# Altium PCB openmv-ae3.PcbDoc (part 1 of 3) (continued)
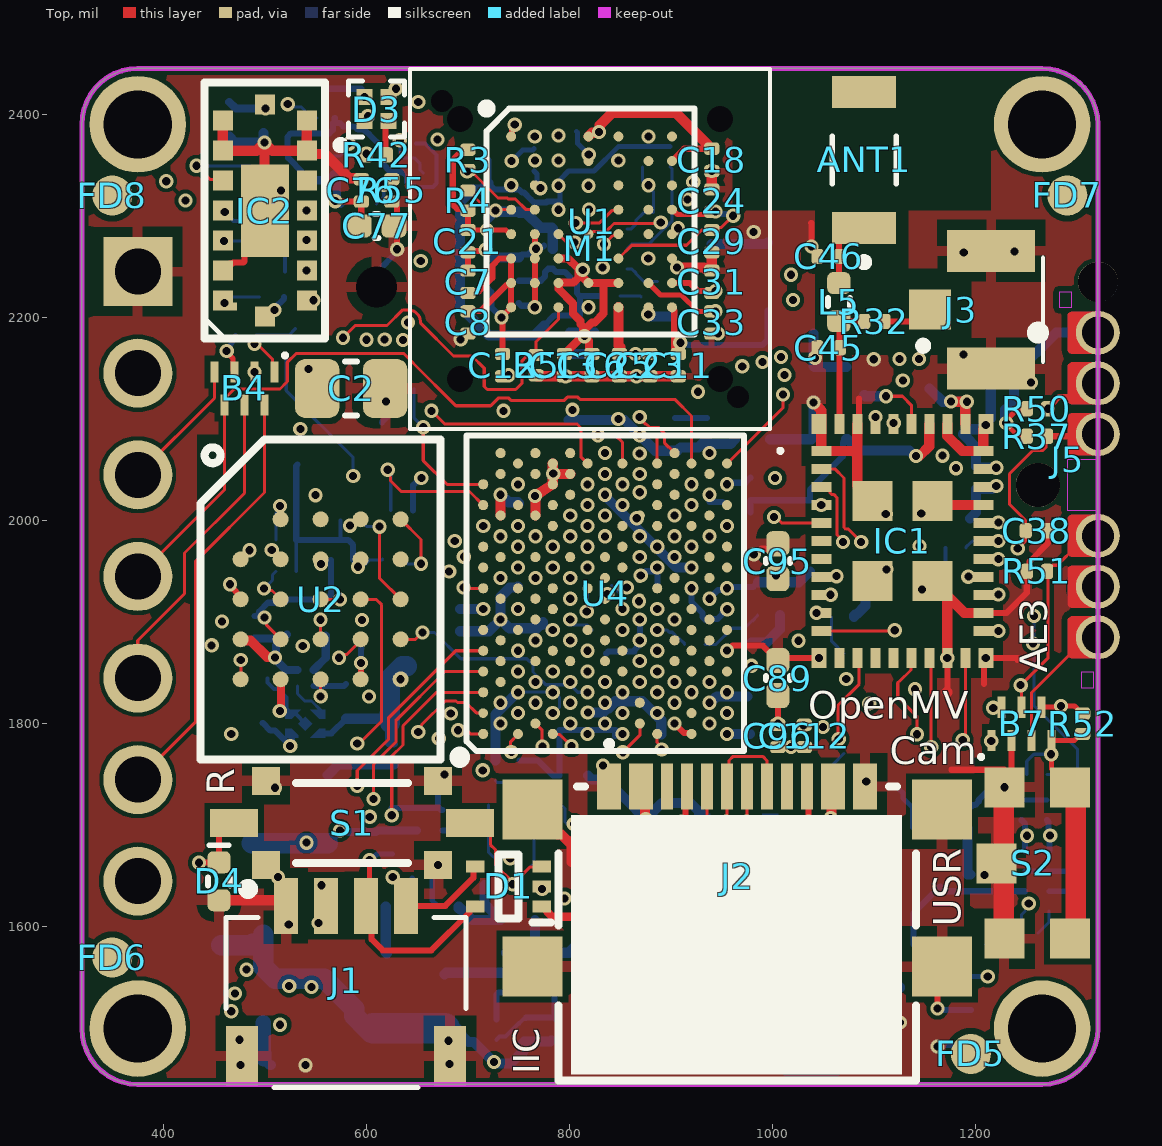
[diagram p0: Top view]
## Components (designator, comment, footprint, x,y, rotation, side; value= is the part's Value field where it differs from the comment)
ANT1 "AMCA31-2R450G-S1F-T3" ANTC3216X140N 1090,2355 r90 top locked
B1 "TPS62824ADMQR" TPS62826ADMQR 645,1760 r180 bottom
B2 "TPS62824DMQR" TPS62826ADMQR 755,1555 r180 bottom
B3 "TPS62824DMQR" TPS62826ADMQR 1060,1530 r180 bottom
B4 "PUSB3TB6AZ" PUSB3TB6AZ 480,2130 r270 top
B5 "NXS0102GTX" NXS0102GTX 1260,1645 r0 bottom
B6 "NXS0102GTX" NXS0102GTX 655,1660 r270 bottom
B7 "PUSB3TB6AZ" PUSB3TB6AZ 1245,1800 r90 top
C1 "4.7uF" 0402-CAP 515,2055 r0 bottom
C2 "22uF" 0805 585,2130 r180 top
C3 "0.22uF" C0201 576,1961 r180 bottom
C4 "4.7uF" 0402-CAP 1040,2135 r90 bottom
C5 "22uF" 0805 995,2240 r270 bottom
C6 "4.7uF" 0402-CAP 720,2245 r270 bottom
C7 "0.22uF" C0201 700,2235 r270 top
C8 "0.22uF" C0201 700,2195 r90 top
C9 "4.7uF" 0402-CAP 522,1905 r270 bottom
C10 "4.7uF" 0402-CAP 560,1905 r270 bottom
C11 "0.22uF" C0201 907,2153 r90 top
C12 "0.22uF" C0201 734,2153 r90 top
C13 "0.22uF" C0201 795,2153 r90 top
C14 "0.22uF" C0201 800,2175 r90 bottom
C15 "0.22uF" C0201 825,2175 r90 bottom
C16 "0.22uF" C0201 822,2153 r90 top
C17 "0.22uF" C0201 765,2355 r270 bottom
C18 "0.22uF" C0201 940,2355 r90 top
C19 "0.22uF" C0201 818,2382.78 r0 bottom
C20 "DNP" C0201 635,2010 r180 bottom
C21 "0.22uF" C0201 700,2275 r90 top
C22 "DNP" C0201 636,2130 r0 bottom
C23 "0.22uF" C0201 879,2153 r90 top
C24 "0.22uF" C0201 940,2315 r270 top
C25 "0.22uF" C0201 849,2153 r90 top
C26 "0.22uF" C0201 750,2270 r90 bottom
C27 "0.22uF" C0201 889,2258 r180 bottom
C28 "0.22uF" C0201 739.69,2373.87 r90 bottom
C29 "0.22uF" C0201 940,2275 r90 top
C30 "4.7uF" 0402-CAP 940,2327.13 r270 bottom
C31 "0.22uF" C0201 940,2235 r270 top
C32 "4.7uF" 0402-CAP 940,2255 r270 bottom
C33 "0.22uF" C0201 940,2195 r90 top
C34 "DNP" C0201 1070,1735 r0 bottom
C35 "DNP" C0201 1069,1905 r0 bottom
C36 "4.7uF" 0402-CAP 920,2200 r0 bottom
C37 "0.22uF" C0201 751,1753 r270 bottom
C38 "0.22uF" C0201 1260,1990 r180 top
C39 "0.22uF" C0201 595,1885 r90 bottom
C40 "0.22uF" C0201 490,1895 r90 bottom
C41 "0.22uF" C0201 1040,2195 r90 bottom
C42 "0.22uF" C0201 1189,2055 r180 bottom
C43 "0.22uF" C0201 1189,2031 r180 bottom
C44 "0.22uF" C0201 1100,2080 r90 bottom
C45 "GRM0335C1H1R5BA01D" CAPC0603X33N 1055,2170 r180 top
C46 "DNP" C0201-NO-3D 1055,2260 r180 top
C47 "4.7uF" 0402-CAP 1170,2085 r0 bottom
C48 "4.7uF" 0402-CAP 1177,2002 r0 bottom
C49 "4.7uF" 0402-CAP 1055,2080 r0 bottom
C50 "0.22uF" C0201 750,2225 r270 bottom
C51 "0.22uF" C0201 750,2315 r270 bottom
C52 "1nF" 0402-CAP 1195,1501 r270 bottom
C53 "10nF" 0402-CAP 801,1749 r0 bottom
C54 "0.22uF" C0201 896,1604 r270 bottom
C55 "4.7uF" 0402-CAP 865,1610 r90 bottom
C56 "0.22uF" C0201 1114,1735 r180 bottom
C57 "0.22uF" C0201 1174.39,1548.66 r180 bottom
C58 "0.22uF" C0201 1150,1739 r90 bottom
C59 "4.7uF" 0402-CAP 1195,1735 r180 bottom
C60 "47pF" C0201 1035,1636 r270 bottom
C61 "47pF" C0201 1035,1590 r90 bottom
C62 "0.22uF" C0201 1300,1670 r90 bottom
C63 "22uF" 0805 607,1534 r90 bottom
C64 "4.7uF,10V" 0402-CAP 749,1607 r180 bottom
C65 "120pF" C0201 756.92,1498.26 r270 bottom
C66 "22uF" 0805 915,1512 r90 bottom
C67 "120pF" C0201 1071,1473 r270 bottom
C68 "4.7uF" 0402-CAP 1125,1523 r90 bottom
C69 "4.7uF" 0402-CAP 457,1565 r90 bottom
C70 "4.7uF" 0402-CAP 523,1464 r180 bottom
C71 "22uF" 0805 487,1716 r90 bottom
C72 "4.7uF" 0402-CAP 498,1818 r270 bottom
C73 "120pF" C0201 625,1706 r270 bottom
C74 "4.7uF" 0402-CAP 580,1819.13 r270 bottom
C75 "4.7uF" 0402-CAP 640,1810 r180 bottom
C76 "0.22uF" C0201 595,2325 r90 top
C77 "4.7uF" 0402-CAP 610,2290 r180 top
C78 "4.7uF" 0402-CAP 720,2315 r90 bottom
C79 "0.22uF" C0201 460,2315 r90 bottom
C80 "0.22uF" C0201 500,2395 r270 bottom
C81 "0.22uF" C0201 530,2220 r0 bottom
C82 "4.7uF" 0402-CAP 465,2395 r90 bottom
C83 "0.22uF" C0201 1300,1620 r270 bottom
C84 "0.22uF" C0201 680,1620 r180 bottom
C85 "0.22uF" C0201 630,1620 r0 bottom
C86 "0.22uF" C0201 739,2038 r180 bottom
C87 "4.7uF" 0402-CAP 845,1805 r270 bottom
C88 "22uF" 0805 640,1890 r270 bottom
C89 "4.7uF" 0402-CAP 1005,1845 r90 top
C90 "0.22uF" C0201 874.85,1871.05 r180 bottom
C91 "22uF" 0805 775,2115 r0 bottom
C92 "4.7uF" 0402-CAP 980,2080 r0 bottom
C93 "0.22uF" C0201 935,2090 r270 bottom
C94 "22uF" 0805 1070,1950 r180 bottom
C95 "4.7uF" 0402-CAP 1005,1960 r90 top
C96 "0.22uF" C0201 1005,1788 r90 top
C97 "0.22uF" C0201 830,2035 r270 bottom
C98 "0.22uF" C0201 692,1902 r90 bottom
C99 "0.22uF" C0201 750,2006 r270 bottom
C100 "0.22uF" C0201 818,1800 r90 bottom
C101 "0.22uF" C0201 920,1944 r90 bottom
C102 "4.7uF" 0402-CAP 904,2084 r90 bottom
C103 "0.22uF" C0201 824.92,1869.04 r0 bottom
C104 "22uF" 0805 1070,2020 r180 bottom
C105 "4.7uF" 0402-CAP 978,2025 r90 bottom
C106 "0.22uF" C0201 950.44,2029.24 r270 bottom
C107 "0.22uF" C0201 749,1924 r270 bottom
C108 "0.22uF" C0201 790,1805 r90 bottom
C109 "1uF" C0201 715,1902 r270 bottom
C110 "4.7uF" 0402-CAP 985.33,1956.39 r90 bottom
C111 "0.22uF" C0201 955.17,1923.72 r90 bottom
C112 "1uF" C0201 1031,1788 r90 top
C113 "1uF" C0201 996,1907 r180 bottom
C114 "1uF" C0201 979,1869 r270 bottom
C115 "1uF" C0201 785,1900 r0 bottom
C116 "1uF" C0201 816.25,1946.3 r270 bottom
C117 "0.22uF" C0201 923,1902 r180 bottom
C118 "0.22uF" C0201 887,1925 r270 bottom
C119 "4.7uF" 0402-CAP 1300,1730.16 r270 bottom
C120 "120pF" C0201 530,2335 r0 bottom
D1 "DF5A6.2CJE,LM" SOTFL50P160X60-5N 740,1640 r180 top
D2 "LM66100DCKR" SOP65P210X110-6N 524,1549 r270 bottom
D3 "UHD1110-FKA-CL1A13R3Q1BBQFMF3" LED_UHD1110-FKA-CL1A13R3Q1BBQFMF3 610,2405 r90 top locked
D4 "CPDQT5V0HE-HF" CPDQT5V0HEHF 455,1645 r270 top
FD1 "FIDUCIAL1X2" FIDUCIAL-1X2 445,1475 r90 bottom
FD2 "FIDUCIAL1X2" FIDUCIAL-1X2 1290,1570 r90 bottom
FD3 "FIDUCIAL1X2" FIDUCIAL-1X2 1290,2320 r90 bottom
FD4 "FIDUCIAL1X2" FIDUCIAL-1X2 350,2320 r90 bottom
FD5 "FIDUCIAL1X2" FIDUCIAL-1X2 1195,1475 r90 top
FD6 "FIDUCIAL1X2" FIDUCIAL-1X2 350,1570 r90 top
FD7 "FIDUCIAL1X2" FIDUCIAL-1X2 1290,2320 r90 top
FD8 "FIDUCIAL1X2" FIDUCIAL-1X2 350,2320 r90 top
FL1 "ECMF02-4CMX8" ECMF024CMX8 963.84,1695.69 r0 bottom
IC1 "LBEE5KL1YN-814" LBEE5KL1YN814 1127.5,1980 r270 top locked
IC2 "VL53L5CXV0GC_1" VL53L5CXV0GC1 500,2305 r270 top locked
IC3 "SPH0645LM4H-1-8" SPH0645LM4H18 610,2230 r180 bottom locked
J1 "SM04B-SRSS-TB(LF)(SN)" JST_SM04B-SRSS-TB(LF)(SN) 580,1546 r0 top locked
J2 "GSB1C41110SSHR" GSB1C41110SSHR 965,1605 r0 top locked
J3 "DNP" 23370191-NO-3D 1215,2207.5 r270 top locked
J4 "DNP" HDRV7W66P0X254_1X7_1778X254X844P 375,2245 r270 bottom locked
J5 "ECV3-06" ECV3-06 1320,2185 r270 top locked
L1 "SRP3212-2R2M" IND3225X100N 941.39,1789.65 r180 bottom
L5 "3.9NH" 0402 1065,2215 r270 top
L6 "MAKK2016T2R2M" INDC2016X100N 1183,2153 r0 bottom
L7 "MFBM1V1608-101-R" 0603-RES 820,1625 r270 bottom
L8 "CIGT201210UHR47MNE" 0805 677,1534 r270 bottom value=470nH
L9 "CIGT201210UHR47MNE" 0805 985,1512 r270 bottom value=470nH
L10 "CIGT201210UHR47MNE" 0805 562,1716 r270 bottom value=470nH
M1 "M7 or M8" M7_M8 820,2267.5 r0 top locked
Q1 "NMOS" DFN1006 640,2385 r90 bottom
Q2 "NMOS" DFN1006 585,2350 r0 bottom
Q3 "NMOS" DFN1006 560,2410 r90 bottom
Q4 "NMOS" DFN1006 530,2175 r90 bottom
Q5 "NMOS" DFN1006 725,1655 r90 bottom
Q6 "NMOS" DFN1006 785,1700 r0 bottom
R1 "10K" R0201#1 872,2358 r90 bottom
R2 "10K" R0201#1 899,2358 r90 bottom
R3 "2.7K" R0201#1 700,2355 r90 top
R4 "2.7K" R0201#1 700,2315 r270 top
R5 "100K" R0201#1 767,2153 r90 top
R6 "10K" R0201#1 1180,1973 r180 bottom
R7 "10K" R0201#1 1125,2080 r90 bottom
R8 "DNP" R0201#1 584.74,2000.11 r180 bottom
R9 "100K" R0201#1 626,1962 r180 bottom
R10 "DNP" R0201#1 521,1981 r0 bottom
R11 "100K" R0201#1 521,1950 r0 bottom
R12 "5.1K" R0201#2 896,1686 r90 bottom
R13 "100K" R0201#1 1180,1945 r0 bottom
R14 "1Meg" 0402-RES 1162,1501 r270 bottom
R15 "5.1K" R0201#2 1035,1694 r90 bottom
R16 "27" R0201#1 1075,1615 r180 bottom
R17 "27" R0201#1 1075,1640 r180 bottom
R18 "10K" R0201#1 710,1720 r0 bottom
R19 "100K" R0201#1 710,1695 r0 bottom
R20 "453K" R0201#1 781.92,1498.26 r270 bottom
R21 "100K" R0201#1 728,1499 r270 bottom
R22 "200K" R0201#1 1096,1473 r90 bottom
R23 "100K" R0201#1 1042,1478 r270 bottom
R24 "100K" R0201#1 650,1705 r270 bottom
R25 "100K" R0201#1 675,1705 r90 bottom
R26 "47K" R0201#1 495,2285 r90 bottom
R27 "47K" R0201#1 495,2330 r270 bottom
R28 "47K" R0201#1 530,2245 r180 bottom
R29 "2.7K" R0201#1 530,2275 r180 bottom
R30 "2.7K" R0201#1 530,2305 r180 bottom
R31 "47K" R0201#1 495,2230 r270 bottom
R32 "DNP" R0201#1 1100,2196 r180 top
R34 "100K" R0201#1 1245,1715 r90 bottom
R35 "100K" R0201#1 1270,1715 r90 bottom
R36 "10K" R0201#1 727,1754 r90 bottom
R37 "10K" R0201#1 1260,2083 r180 top
R38 "200" R0201#1 867,1936 r90 bottom
R39 "200" R0201#1 841.1,1946.17 r270 bottom
R41 "1K" R0201#1 595,2415 r270 bottom
R42 "10K" R0201#1 610,2360 r0 top
R43 "5.1K" R0201#1 640,2425 r180 bottom
R44 "100K" R0201#1 646,2342 r180 bottom
R45 "100K" R0201#1 530,2365 r180 bottom
R46 "100K" R0201#1 525.91,2396.89 r270 bottom
R47 "10" R0201#1 832.06,1892.05 r180 bottom
R48 "1K" R0201#1 923.26,1877.98 r180 bottom
R49 "100K" R0201#1 749.25,1841.42 r270 bottom
R50 "100K" R0201#1 1260,2110 r180 top
R51 "100K" R0201#1 1260,1950 r0 top
R52 "10K" R0201#1 1305,1800 r270 top
R53 "10K" R0201#1 1260,1750 r180 bottom
R54 "100K" R0201#1 481,2182 r180 bottom
R55 "100K" R0201#2 625,2325 r90 top
R56 "100K" R0201#2 765,1650 r90 bottom
S1 "CVS-01TB" CVS01TB 586,1702.5 r270 top locked
S2 "KMS231GLFS" KMS231GLFS 1260,1662.5 r90 top locked
U1 "PAG7936" PAG7936 821.68,2293.95 r0 top locked
U2 "MX25UM25645GXDI00-T" 24-TBGA 555,1922.5 r0 top locked
U4 "Alif_E _Series_CSP208" CSP208 715,1790 r90 top locked
U5 "USB MUX" TC7USB42MU,LF(S2E 965,1615 r270 bottom
U6 "USB to UART" SON45P300X300X80-13N 1165,1640 r270 bottom
U7 "" LSM6DSMTR 820,2267.5 r90 bottom locked
U8 "TCR2LN28,LF(SE" VREG_TCR2LN30_LF 540,1800 r0 bottom
U9 "PMOS Load Switch" AP22916CCA4-7 540,1845 r180 bottom
X1 "XRCGB38M400F4M00R0" XTAL_2016 635,2070 r270 bottom
Y1 "SiT1533AI-H4-DCC-32.768E" SIT1533AIH4AA332768E 1090,2155 r270 bottom
Y2 "SC32S-7PF20PPM" XTAL_ABS07-32.768KHZ-7-T 1070,1820 r270 bottom

## Footprints (in the part's own frame and the unit in brackets; to place one, negate y for a bottom-side part, rotate by r counter-clockwise, add the part's x,y. Pads: shape width x height; smd on the part's side, far side on the other; paste and mask are expansions set on the pad)
24-TBGA [mm]
  round 0.4 smd mask+0.051: A2(-1,2) A3(0,2) A4(1,2) A5(2,2) B1(-2,1) B2(-1,1) B3(0,1) B4(1,1) B5(2,1) C1(-2,0) C2(-1,0) C3(0,0) C4(1,0) C5(2,0) D1(-2,-1) D2(-1,-1) D3(0,-1) D4(1,-1) D5(2,-1) E1(-2,-2) E2(-1,-2) E3(0,-2) E4(1,-2) E5(2,-2)
  silkscreen extent -3,-4 3,4, body extent -3,-4 3,4, height 0.51
0402 [mm] "Chip Resistor, 2-Leads, Body  0402 (in) 1005 (mm), IPC Medium Density"
  rrect51% 0.55x0.58 smd mask+0.05: 1(-0.475,0) 2(0.475,0)
  silkscreen extent -0.1,-0.28 0.1,0.28, body extent -0.5,-0.25 0.5,0.25, height 0.34
0402-CAP [mm] "Chip Capacitor, 2-Leads, Body  0402 (in) 1005 (mm), IPC Medium Density"
  rrect52% 0.63x0.58 smd mask+0.05: 1(-0.435,0) 2(0.435,0)
  silkscreen extent -0.05,-0.3 0.05,0.3, body extent -0.5,-0.25 0.5,0.25, height 0.5
0402-RES [mm] "Chip Resistor, 2-Leads, Body  0402 (in) 1005 (mm), IPC Medium Density"
  rrect51% 0.55x0.58 smd mask+0.05: 1(-0.475,0) 2(0.475,0)
  silkscreen extent -0.1,-0.28 0.1,0.28, body extent -0.5,-0.25 0.5,0.25, height 0.34
0603-RES [mm]
  rrect51% 0.87x0.97 smd mask+0.05: 1(-0.8,0) 2(0.75,0)
  silkscreen extent -0.2,-0.5 0.15,0.5, body extent -0.8,-0.4 0.8,0.4, height 0.45
0805 [mm] "Chip Capacitor, Body 0805 imperial, 2.0x1.2mm, IPC Medium Density"
  rrect45% 1.11x1.47 smd mask+0.05: 1(-0.85,0) 2(0.85,0)
  silkscreen extent -0.15,-0.67 0.15,0.67, body extent -1,-0.62 1,0.63, height 1.25
23370191-NO-3D [mm] "23370191"
  rect 1x1.05 smd: 1(0,-1.525)
  rect 1.05x2.2 smd: 2(-1.475,0) 3(1.475,0)
  silkscreen extent -1.3,-1.8 1.3,1.3
ANTC3216X140N [mm] "ANTC3216X140N"
  rect 0.8x1.6 smd: 1(-1.7,0) 2(1.7,0)
  silkscreen extent -2.66,-0.8 0.6,0.8, body extent -1.6,-0.8 1.6,0.8, height 1.2
AP22916CCA4-7 [mm]
  round 0.22 smd mask+0.05: A1(-0.2,0.2) A2(0.2,0.2) B1(-0.2,-0.2) B2(0.2,-0.2)
  Top pour cut-out: -0.4,0.4 -0.4,-0.4 0.4,-0.4 0.4,0.4 0.375,0.4
  silkscreen extent -0.62,-0.45 0.45,0.62, body extent -0.4,-0.4 0.4,0.4, height 0.51
C0201 [mil] "0201 IPC-7351"
  rrect50% 12x15 smd mask+1.97: 1(-11,0) 2(11,0)
  body extent -12,-6 12,6, height 14
C0201-NO-3D [mil] "0201 IPC-7351"
  rrect50% 12x15 smd mask+1.97: 1(-11,0) 2(11,0)
CAPC0603X33N [mil] "CAPC0603X33N"
  rrect50% 12x15 smd mask+1.97: 1(-10.97,-0.04) 2(11.03,-0.04)
  body extent -12,-6 12,6, height 14
CPDQT5V0HEHF [mm]
  rrect51% 0.55x0.58 smd mask+0.05: 1(-0.475,0) 2(0.475,0)
  silkscreen extent -0.9,-0.27 0.1,0.28, body extent -0.5,-0.25 0.5,0.25, height 0.34
CSP208 [mil] "LGA Package 208 pads"
  round 10 smd mask+1.18: A1(0,0) A5(40.94,0) A7(61.42,0) A9(81.89,0) A11(102.36,0) A13(122.83,0) A15(143.31,0) A17(163.78,0) A19(184.25,0) A21(204.72,0) A23(225.2,0) A25(245.67,0) B2(10.24,-17.13) B4(30.71,-17.13) B6(51.18,-17.13) B8(71.65,-17.13) B10(92.13,-17.13) B12(112.6,-17.13) B14(133.07,-17.13) B16(153.54,-17.13) B18(174.02,-17.13) B20(194.49,-17.13) B22(214.96,-17.13) B24(235.43,-17.13) B26(255.91,-17.13) B28(276.41,-17.13) C1(0,-34.25) C3(20.47,-34.25) C5(40.94,-34.25) C7(61.42,-34.25) C9(81.89,-34.25) C11(102.36,-34.25) C13(122.83,-34.25) C15(143.31,-34.25) C17(163.78,-34.25) C19(184.25,-34.25) C21(204.72,-34.25) C23(225.2,-34.25) C25(245.67,-34.25) C27(266.14,-34.25) D2(10.24,-51.38) D4(30.71,-51.38) D6(51.18,-51.38) D8(71.65,-51.38) D10(92.13,-51.38) D12(112.6,-51.38) D14(133.07,-51.38) D16(153.54,-51.38) D18(174.02,-51.38) D20(194.49,-51.38) D22(214.96,-51.38) D26(255.91,-51.38) D28(276.41,-51.38) E1(0,-68.5) E3(20.47,-68.5) E5(40.94,-68.5) E7(61.42,-68.5) E9(81.89,-68.5) E11(102.36,-68.5) E13(122.83,-68.5) E15(143.31,-68.5) E17(163.78,-68.5) E19(184.25,-68.5) E21(204.72,-68.5) E23(225.2,-68.5) E25(245.67,-68.5) E27(266.14,-68.5) F2(10.24,-85.63) F4(30.71,-85.63) F6(51.18,-85.63) F8(71.65,-85.63) F10(92.13,-85.63) F12(112.6,-85.63) F14(133.07,-85.63) F16(153.54,-85.63) F18(174.02,-85.63) F20(194.49,-85.63) F22(214.96,-85.63) F24(235.43,-85.63) F26(255.91,-85.63) F28(276.41,-85.63) G1(0,-102.76) G3(20.47,-102.76) G5(40.94,-102.76) G7(61.42,-102.76) G9(81.89,-102.76) G11(102.36,-102.76) G13(122.83,-102.76) G15(143.31,-102.76) G17(163.78,-102.76) G19(184.25,-102.76) G21(204.72,-102.76) G23(225.2,-102.76) G25(245.67,-102.76) G27(266.14,-102.76) H2(10.24,-119.88) H4(30.71,-119.88) H6(51.18,-119.88) H8(71.65,-119.88) H10(92.13,-119.88) H12(112.6,-119.88) H14(133.07,-119.88) H16(153.54,-119.88) H18(174.02,-119.88) H20(194.49,-119.88) H22(214.96,-119.88) H24(235.43,-119.88) H26(255.91,-119.88) H28(276.41,-119.88) J1(0,-137.01) J3(20.47,-137.01) J5(40.94,-137.01) J7(61.42,-137.01) J9(81.89,-137.01) J11(102.36,-137.01) J13(122.83,-137.01) J15(143.31,-137.01) J17(163.78,-137.01) J19(184.25,-137.01) J21(204.72,-137.01) J23(225.2,-137.01) J25(245.67,-137.01) J27(266.14,-137.01) K2(10.24,-154.13) K4(30.71,-154.13) K6(51.18,-154.13) K8(71.65,-154.13) K10(92.13,-154.13) K12(112.6,-154.13) K14(133.39,-153.98) K16(153.54,-154.13) K18(174.02,-154.13) K20(194.49,-154.13) K22(214.96,-154.13) K24(235.43,-154.13) K26(255.91,-154.13) K28(276.41,-154.13) L1(0,-171.26) L3(20.47,-171.26) L5(40.94,-171.26) L7(61.42,-171.26) L9(81.89,-171.26) L11(102.36,-171.26) L13(122.83,-171.26) L15(143.31,-171.26) L17(163.78,-171.26) L19(184.25,-171.26) L21(204.72,-171.26) L23(225.2,-171.26) L25(245.67,-171.26) L27(266.14,-171.26) M2(10.24,-188.39) M4(30.71,-188.39) M6(51.18,-188.39) M8(71.65,-188.39) M10(92.13,-188.39) M12(112.6,-188.39) M14(133.07,-188.39) M16(153.54,-188.39) M18(174.02,-188.39) M20(194.49,-188.39) M22(214.96,-188.39) M24(235.43,-188.39) M26(255.91,-188.39) M28(276.41,-188.39) N1(0.06,-205.02) N3(20.53,-205.02) N5(41.01,-205.02) N7(61.48,-205.02) N9(81.95,-205.02) N11(102.42,-205.02) N13(122.9,-205.02) N15(143.37,-205.02) N17(163.84,-205.02) N19(184.31,-205.02) N21(204.79,-205.02) N23(225.26,-205.02) N25(245.73,-205.02) N27(266.2,-205.02) P2(10.24,-222.64) P4(30.71,-222.64) P6(51.18,-222.64) P8(71.65,-222.64) P10(92.13,-222.64) P12(112.6,-222.64) P14(133.07,-222.64) P16(153.54,-222.64) P18(174.02,-222.64) P20(194.49,-222.64) P22(214.96,-222.64) P24(235.43,-222.64) P26(255.91,-222.64) P28(276.41,-222.64) R1(0.06,-239.92) R3(20.53,-239.92) R5(41.01,-239.92) R7(61.48,-239.92) R9(81.95,-239.92) R11(102.42,-239.92) R13(122.9,-239.92) R15(143.37,-239.92) R17(163.84,-239.92) R19(184.31,-239.92) R21(204.79,-239.92) R23(225.26,-239.92) R25(245.73,-239.92) R27(266.2,-239.92)
  round 9.45 smd mask+1.18: A3(20.47,0)
  silkscreen extent -24,-257 294,23, body extent -12,-252 288,12, height 22
CVS01TB [mm]
  rect 0.7x1.2 smd: 1(0,-2.95) 2(0,2.95)
  rect 0.7x0.7 smd: MP1(-1.05,-2.15) MP2(1.05,-2.15) MP3(-1.05,2.15) MP4(1.05,2.15)
  silkscreen extent -1,-1.4 1,1.4, body extent -1.33,-3.48 1.33,3.48, height 1.55
DFN1006 [mm]
  rect 0.4x0.25 smd paste+0 mask+0.05: 1(-0.35,0.225) 2(-0.35,-0.225)
  rect 0.4x0.7 smd paste+0 mask+0.05: 3(0.35,0)
  silkscreen extent -0.81,-0.5 0.68,0.64, body extent -0.5,-0.31 0.5,0.31, height 0.5
ECMF024CMX8 [mil] "ECMF024CMX8"
  rect 7.87x23.62 smd: 1(-29.53,-19.69) 2(-9.84,-19.69) 3(9.84,-19.69) 4(29.53,-19.69) 5(29.53,19.69) 6(9.84,19.69) 7(-9.84,19.69) 8(-29.53,19.69)
  Top region: 25.59,7.88 25.59,15.76 41.34,15.76 41.34,7.88
  Top region: 25.59,-7.88 25.59,-15.76 41.34,-15.76 41.34,-7.88
  Top region: -25.59,-7.88 -25.59,-15.76 -41.34,-15.76 -41.34,-7.88
  Top region: -25.59,7.88 -25.59,15.76 -41.34,15.76 -41.34,7.88
  silkscreen extent -50,-38 48,23, body extent -49,-24 49,24, height 20
ECV3-06 [mm] "Tag-Connect ECV3-06 Edge-Connect Test Connector Castellated (NO BOM)"
  round 1.1 hole 0.8 paste+0 mask+0: 1(0,0) 2(1.27,0) 3(2.54,0) 4(5.08,0) 5(6.35,0) 6(7.62,0)
  round 1 hole 1 unplated: MH(-1.27,0)
  round 1.1 hole 1.1 unplated: MH(3.81,-1.5)
  Top region: 0.425,-0.75 0.445,-0.75 0.482,-0.735 0.51,-0.707 0.525,-0.67 0.525,-0.65 0.525,-0.65 0.525,0 -0.525,0 -0.525,-0.65 -0.525,-0.67 -0.51,-0.707 -0.482,-0.735 -0.445,-0.75 -0.425,-0.75 -0.425,-0.75
  Top region: 1.695,-0.75 1.715,-0.75 1.752,-0.735 1.78,-0.707 1.795,-0.67 1.795,-0.65 1.795,-0.65 1.795,0 0.745,0 0.745,-0.65 0.745,-0.67 0.76,-0.707 0.788,-0.735 0.825,-0.75 0.845,-0.75 0.845,-0.75
  Top region: 2.965,-0.75 2.985,-0.75 3.022,-0.735 3.05,-0.707 3.065,-0.67 3.065,-0.65 3.065,-0.65 3.065,0 2.015,0 2.015,-0.65 2.015,-0.67 2.03,-0.707 2.058,-0.735 2.095,-0.75 2.115,-0.75 2.115,-0.75
  Top region: 5.505,-0.75 5.525,-0.75 5.562,-0.735 5.59,-0.707 5.605,-0.67 5.605,-0.65 5.605,-0.65 5.605,0 4.555,0 4.555,-0.65 4.555,-0.67 4.57,-0.707 4.598,-0.735 4.635,-0.75 4.655,-0.75 4.655,-0.75
  Top region: 6.775,-0.75 6.795,-0.75 6.832,-0.735 6.86,-0.707 6.875,-0.67 6.875,-0.65 6.875,-0.65 6.875,0 5.825,0 5.825,-0.65 5.825,-0.67 5.84,-0.707 5.868,-0.735 5.905,-0.75 5.925,-0.75 5.925,-0.75
  Top region: 8.045,-0.75 8.065,-0.75 8.102,-0.735 8.13,-0.707 8.145,-0.67 8.145,-0.65 8.145,-0.65 8.145,0 7.095,0 7.095,-0.65 7.095,-0.67 7.11,-0.707 7.138,-0.735 7.175,-0.75 7.195,-0.75 7.195,-0.75
  Bottom region: 0.425,-0.75 0.445,-0.75 0.482,-0.735 0.51,-0.707 0.525,-0.67 0.525,-0.65 0.525,-0.65 0.525,0 -0.525,0 -0.525,-0.65 -0.525,-0.67 -0.51,-0.707 -0.482,-0.735 -0.445,-0.75 -0.425,-0.75 -0.425,-0.75
  Bottom region: 1.695,-0.75 1.715,-0.75 1.752,-0.735 1.78,-0.707 1.795,-0.67 1.795,-0.65 1.795,-0.65 1.795,0 0.745,0 0.745,-0.65 0.745,-0.67 0.76,-0.707 0.788,-0.735 0.825,-0.75 0.845,-0.75 0.845,-0.75
  Bottom region: 2.965,-0.75 2.985,-0.75 3.022,-0.735 3.05,-0.707 3.065,-0.67 3.065,-0.65 3.065,-0.65 3.065,0 2.015,0 2.015,-0.65 2.015,-0.67 2.03,-0.707 2.058,-0.735 2.095,-0.75 2.115,-0.75 2.115,-0.75
  Bottom region: 5.505,-0.75 5.525,-0.75 5.562,-0.735 5.59,-0.707 5.605,-0.67 5.605,-0.65 5.605,-0.65 5.605,0 4.555,0 4.555,-0.65 4.555,-0.67 4.57,-0.707 4.598,-0.735 4.635,-0.75 4.655,-0.75 4.655,-0.75
  Bottom region: 6.775,-0.75 6.795,-0.75 6.832,-0.735 6.86,-0.707 6.875,-0.67 6.875,-0.65 6.875,-0.65 6.875,0 5.825,0 5.825,-0.65 5.825,-0.67 5.84,-0.707 5.868,-0.735 5.905,-0.75 5.925,-0.75 5.925,-0.75
  Bottom region: 8.045,-0.75 8.065,-0.75 8.102,-0.735 8.13,-0.707 8.145,-0.67 8.145,-0.65 8.145,-0.65 8.145,0 7.095,0 7.095,-0.65 7.095,-0.67 7.11,-0.707 7.138,-0.735 7.175,-0.75 7.195,-0.75 7.195,-0.75
  silkscreen extent -0.12,-1.62 0.12,-1.37, body extent -2.69,-2.89 10.31,90.74, height 12.25
FIDUCIAL-1X2 [mm] "FIDUCIAL-1X2"
  rrect100% 1x1 smd paste+0: 1(0,0)
GSB1C41110SSHR [mm]
  rect 0.6x1.15 smd: A1(-3.2,3.39) A4(-2.4,3.39) A9(2.4,3.39) A12(3.2,3.39)
  rect 0.3x1.15 smd: A5(-1.25,3.39) A6(-0.25,3.39) A7(0.25,3.39) A8(1.25,3.39) B5(1.75,3.39) B6(0.75,3.39) B7(-0.75,3.39) B8(-1.75,3.39)
  round 0.325 hole 0.65 unplated: MH1(-2.89,2.315) MH2(2.89,2.315)
  rect 1.5x1.5 smd: MP1(-5.12,2.815) MP2(5.12,2.815) MP3(-5.12,-1.115) MP4(5.12,-1.115)
  silkscreen extent -4.47,-3.97 4.47,4.5, body extent -5.67,-3.91 5.67,3.68, height 3.18
HDRV7W66P0X254_1X7_1778X254X844P [mm]
  rect 1.725x1.725 hole 1.15: 1(0,0)
  round 1.725 hole 1.15: 2(2.54,0) 3(5.08,0) 4(7.62,0) 5(10.16,0) 6(12.7,0) 7(15.24,0)
  silkscreen extent -1.52,-1.32 16.76,1.32
IND3225X100N [mm]
  rect 1.2x2.7 smd: 1(-1.3,0) 2(1.3,0)
  silkscreen extent 0,-0.9 0,0.9, body extent -1.6,-1.2 1.6,1.2, height 1
INDC2016X100N [mm] "INDC2016X100N"
  rrect50% 0.7x1.8 smd: 1(-0.8,0) 2(0.8,0)
  silkscreen extent -0.3,-0.9 0.3,0.9, body extent -1,-0.8 1,0.8, height 1
JST_SM04B-SRSS-TB(LF)(SN) [mm]
  rect 0.6x1.4 smd: 1(-1.5,1.9) 2(-0.5,1.9) 3(0.5,1.9) 4(1.5,1.9)
  rect 0.8x1.5 smd: S1(-2.6,-1.85) S2(2.6,-1.85)
  silkscreen extent -3,-2.64 3,2.42, body extent -3,-2.59 3,2.36, height 2.96
KMS231GLFS [mm]
  rect 1x1 smd: 1(-1.88,-0.825) 2(-1.88,0.813) 3(0,1.016) 4(1.905,0.813) 5(1.905,-0.825)
  body extent -2.3,-2.15 2.3,1.4, height 1.43
LBEE5KL1YN814 [mm]
  rect 0.25x0.5 smd: 1(-2.25,-2.025) 2(-1.8,-2.025) 3(-1.35,-2.025) 4(-0.9,-2.025) 5(-0.45,-2.025) 6(0,-2.025) 7(0.45,-2.025) 8(0.9,-2.025) 9(1.35,-2.025) 10(1.8,-2.025) 11(2.25,-2.025) 22(2.25,2.025) 23(1.8,2.025) 24(1.35,2.025) 25(0.9,2.025) 26(0.45,2.025) 27(0,2.025) 28(-0.45,2.025) 29(-0.9,2.025) 30(-1.35,2.025) 31(-1.8,2.025) 32(-2.25,2.025)
  rect 0.5x0.375 smd: 12(2.925,-2.087) 21(2.925,2.087) 33(-2.925,2.087) 42(-2.925,-2.087)
  rect 0.5x0.25 smd: 13(2.925,-1.575) 14(2.925,-1.125) 15(2.925,-0.675) 16(2.925,-0.225) 17(2.925,0.225) 18(2.925,0.675) 19(2.925,1.125) 20(2.925,1.575) 34(-2.925,1.575) 35(-2.925,1.125) 36(-2.925,0.675) 37(-2.925,0.225) 38(-2.925,-0.225) 39(-2.925,-0.675) 40(-2.925,-1.125) 41(-2.925,-1.575)
  rect 1x1 smd: 43(-1,-0.75) 44(1,-0.75) 45(-1,0.75) 46(1,0.75)
  silkscreen extent -2.3,-3.1 -2.2,-3, body extent -3.47,-2.58 3.47,2.58, height 1.2
LED_UHD1110-FKA-CL1A13R3Q1BBQFMF3 [mil] "LED_UHD1110-FKA-CL1A13R3Q1BBQFMF3"
  rect 15.75x15.75 smd: 1(-11.81,11.81) 2(-11.81,-11.81) 3(11.81,-11.81) 4(11.81,11.81)
  silkscreen extent -39,-28 28,39, body extent -20,-20 20,20, height 24
LSM6DSMTR [mil] "Accelerometer, Gyroscope, Temperature, 6 Axis Sensor I²C, SPI Output"
  rect 21x12 smd paste-2.1 mask+2: 1(-46.5,29.53) 2(-46.5,9.84) 3(-46.5,-9.84) 4(-46.5,-29.53) 8(46.5,-29.53) 9(46.5,-9.84) 10(46.5,9.84) 11(46.5,29.53)
  rect 12x21 smd paste-2.1 mask+2: 5(-19.68,-36.5) 6(0,-36.5) 7(19.68,-36.5) 12(19.68,36.5) 13(0,36.5) 14(-19.68,36.5)
  silkscreen extent -66,-56 66,56, body extent -61,-51 61,51, height 34
M7_M8 [mm]
  rect 0x0 hole 0.55 unplated mask+0.05: 0(-3.7,3.7) 0(3.7,-3.7)
  rect 0x0 hole 0.65 unplated mask+0.05: 0(-3.25,-3.25) 0(-3.25,3.25) 0(3.25,-3.25) 0(3.25,3.25)
  silkscreen extent -4.5,-4.5 4.5,4.5, body extent -4.51,-4.49 4.49,4.51, height 9.52
NXS0102GTX [mm]
  rect 0.4x0.3 smd mask+0.051: 1(-0.3,0.75) 2(-0.3,0.25) 3(-0.3,-0.25) 4(-0.3,-0.75) 5(0.3,-0.75) 6(0.3,-0.25) 7(0.3,0.25) 8(0.3,0.75)
  silkscreen extent -1,0.7 -0.9,0.8, body extent -0.5,-0.97 0.5,0.97, height 0.51
PAG7936 [mm]
  round 0.25 smd mask+0.051: A1(-2.01,2.135) A2(-1.42,2.135) A3(-0.83,2.135) A4(-0.08,2.135) A5(0.67,2.135) A6(1.42,2.135) A7(2.01,2.135) B1(-2.01,1.525) B2(-1.42,1.525) B3(-0.83,1.525) B4(-0.08,1.525) B5(0.67,1.525) B6(1.42,1.525) B7(2.01,1.525) C1(-2.01,0.915) C2(-1.42,0.915) C3(-0.83,0.915) C4(-0.08,0.915) C5(0.67,0.915) C6(1.42,0.915) C7(2.01,0.915) D1(-2.01,0.305) D2(-1.42,0.305) D3(-0.83,0.305) D4(-0.08,0.305) D5(0.67,0.305) D6(1.42,0.305) D7(2.01,0.305) E1(-2.01,-0.305) E2(-1.42,-0.305) E3(-0.83,-0.305) E4(-0.08,-0.305) E5(0.67,-0.305) E6(1.42,-0.305) E7(2.01,-0.305) F1(-2.01,-0.915) F2(-1.42,-0.915) F3(-0.83,-0.915) F5(0.67,-0.915) F6(1.42,-0.915) F7(2.01,-0.915) G1(-2.01,-1.525) G2(-1.42,-1.525) G3(-0.83,-1.525) G4(-0.08,-1.525) G5(0.67,-1.525) G6(1.42,-1.525) G7(2.01,-1.525) H1(-2.01,-2.135) H2(-1.42,-2.135) H3(-0.83,-2.135) H4(-0.08,-2.135) H5(0.67,-2.135) H6(1.42,-2.135) H7(2.01,-2.135)